# Altium PCB ESP-12F_WLED_IOT_LIPO_PCB_Version_2.PcbDoc (part 2 of 2)
Units mm, origin at the board's own origin, x right, y up, seen from the top; angles counter-clockwise.
Board outline 90 x 44 mm, 2 copper layers (Top Layer, Bottom Layer), stack 0.97 mm thick; 111 components, 79 nets, 330 pads, 196 vias.
Unrouted connection lines stored in the file: 43.
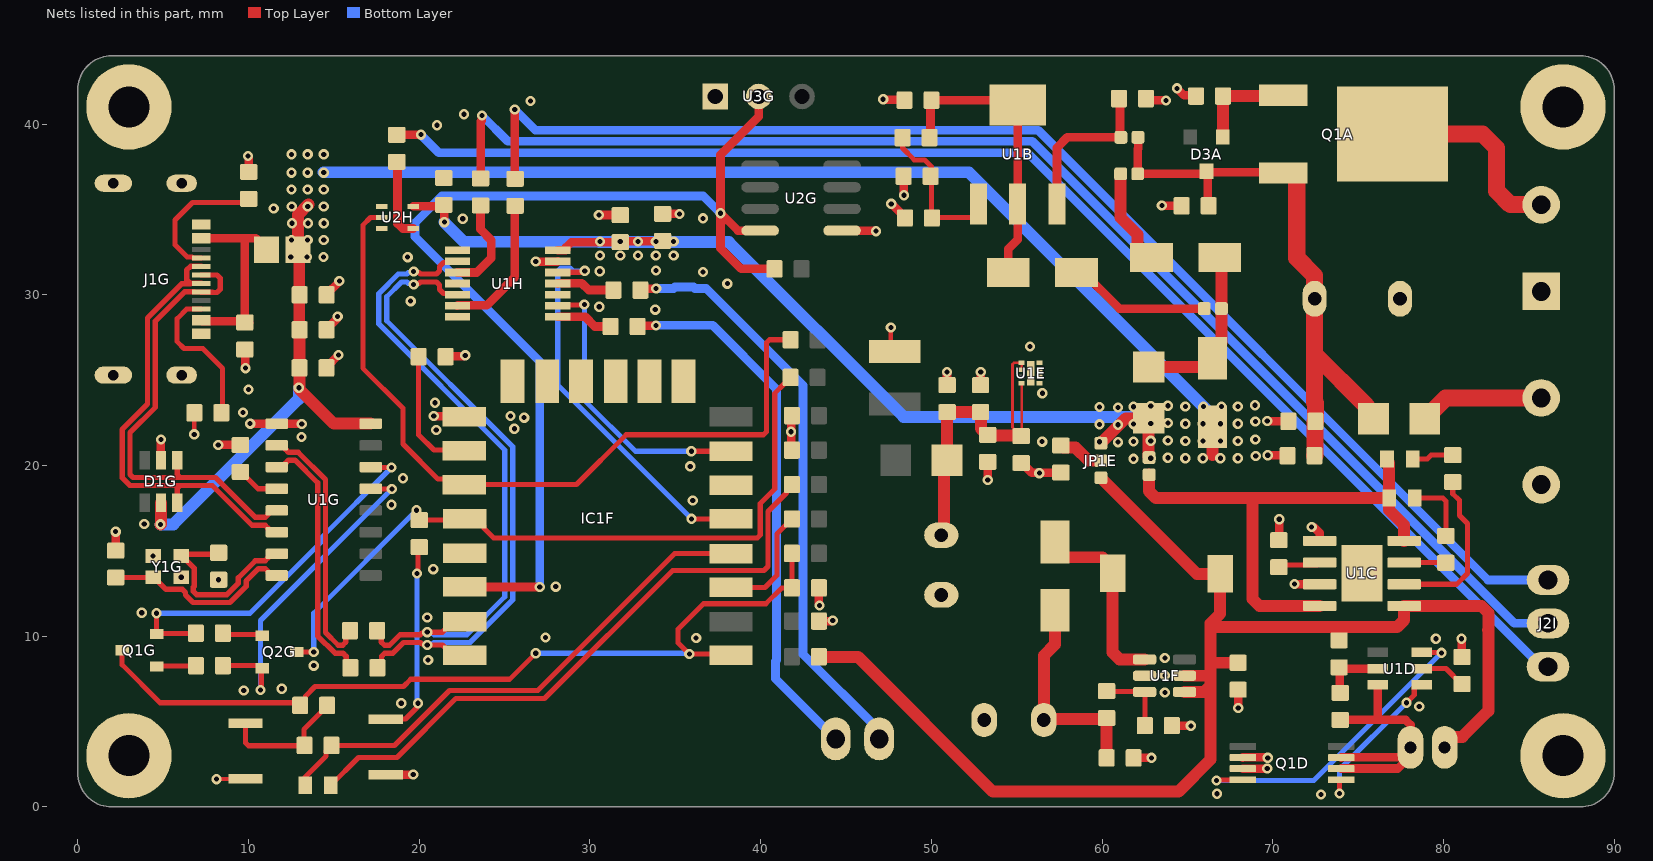
[diagram p2: the nets of this part, all layers, seen from the top]

## Via types
v1: diameter 0.6, hole 0.3, Top Layer to Bottom Layer, tented both sides, 196 vias

## Nets (pads, with @x,y where several pads share a name; then routed paths per layer and width w, separated by ;. In a path a pad name is that pad's centre, name@x,y a point inside that pad or via, vN(x,y) a via of type N, cw(c..) or ccw(c..) an arc to the next point about the centre after c; other vN are vias at no path point) (continued)
Adjust: C3B.2 R1B.1 R2B.1 U1B.1 | length 9.1
  Top Layer w0.3: R1B.1@48.312,39.2 48.312,38.588 49,37.9 49.6,37.9 50.006,37.494 R2B.1@50.006,34.52 ; R2B.1@50.031,34.495 R2B.1@50.006,34.52 ; U1B.1@52.756,35.323 52.756,34.87 52.406,34.52 R2B.1@50.006,34.52
BATT+3V3: C2E.2 C3E.2 C4E.1 C5E.2 F1E.1 R2E.1 U1E.1 U1E.2 U1E.4 | length 21.2
  Top Layer w0.15: C3E.2@55.262,21.723 54.752,22.233 54.752,25.918 54.84,26.006 U1E.1@55.288,26.006 U1E.2@55.288,25.606 ; C3E.2@55.281,21.733 55.281,21.742 55.281,24.799 U1E.4@55.288,24.806
  Top Layer w0.7: C4E.1@50.582,15.917 50.746,16.081 50.746,20.148 F1E.1@50.911,20.313 50.908,20.316 50.908,23.11 C2E.2@50.922,23.125 C2E.2@50.922,23.125 52.72,23.124 52.721,23.123 C5E.2@52.88,23.123 52.88,23.018 52.895,23.003 52.895,22.156 53.261,21.791 R2E.1@53.301,21.791 53.335,21.757 C3E.2@55.214,21.757 ; C3E.2@55.262,21.723 C3E.2@55.281,21.742
CH: R2C.2 U1C.7 | length 2.5
  Top Layer w0.3: U1C.7@77.69,14.312 77.696,14.307 80.133,14.307 R2C.2@80.138,14.301
CS: R1D.2 U1D.2 | length 2.7
  Top Layer w0.3: U1D.2@78.734,8.102 80.138,8.102 81.043,7.198 R1D.2@81.083,7.198
DTS: Q2G.2 R5G.1 U1G.13 | length 19.8
  Top Layer w0.3: R5G.1@8.502,8.276 10.552,8.276 10.752,8.076 10.752,6.898 v1(10.702,6.848) ; U1G.13@17.162,18.636 17.167,18.63 18.395,18.63 v1(18.4,18.625)
  Bottom Layer w0.3: v1(10.702,6.848) 10.702,10.927 v1(18.4,18.625)
EN: IC1F.3 R8F.2 | length 6.7
  Top Layer w0.3: IC1F.3@38.268,12.859 40.259,12.859 40.95,13.55 40.95,15.986 41.47,16.506 41.51,16.506 41.83,16.826 R8F.2@41.83,16.866
ESP8266_DMA_TTL: R1H.1 U1H.6 | length 8.2
  Top Layer w0.509: U1H.6@22.237,29.355 22.258,29.375 23.95,29.375 25.595,31.02 25.595,35.185 R1H.1@25.62,35.21
ESP8266_SPI_CLOCK_TTL: R5H.1 U1H.11 | length 3.4
  Top Layer w0.509: U1H.11@28.113,30.655 28.134,30.675 29.525,30.675 29.926,30.274 R5H.1@31.374,30.274
ESP8266_SPI_DATA_TTL: R4H.1 U1H.8 | length 3.3
  Top Layer w0.509: U1H.8@28.113,28.705 29.725,28.705 30.288,28.142 R4H.1@31.213,28.142
ESP8266_UART0_TTL: R2H.1 U1H.3 | length 5.7
  Top Layer w0.509: U1H.3@22.237,31.305 23.38,31.305 24.225,32.15 24.225,33.2 23.595,33.83 R2H.1@23.595,35.235
ESP8266_UART1_TTL: R3H.1 U2H.4 | length 4.7
  Top Layer w0.509: R3H.1@18.683,37.788 18.683,37.622 18.733,37.572 18.733,34.176 19.031,33.878 U2H.4@19.652,33.878
FB: R1F.1 R2F.2 U1F.3 | length 4.2
  Top Layer w0.3: R1F.1@60.265,6.781 60.289,6.758 62.466,6.758 U1F.3@62.49,6.734 62.502,6.721 R2F.2@62.502,4.769
GND: C1A.2 C1B.1 C1E.1 C1F.2 C1G.1 C1H.1 C2A.1 C2B.1 C2E.1 C2F.1 C2G.1 C2H.1 C3A.1 C3B.1 C3E.1 C3F.1 C3G.1 C3H.1 C4E.2 C4F.2 C4G.1 C5E.1 C5F.1 C5G.2 C6F.1 C6G.1 C7G.2 D1G.2 H1A.1 H2A.1 H3A.1 H4A.1 IC1F.15 J1A.2 J1G.A1B12 J1G.B1A12 J1G.SH J1I.2 Q1D.2 Q1D.3 R1A.2 R1D.1 R1G.2 R2A.2 R2B.2 R2E.2 R2F.1 R2G.2 R3C.1 R11F.1 R13F.2 R14F.2 SW1F.2 SW2F.1 U1C.1 U1C.3 U1E.5 U1E.9 U1F.2 U1G.1 U1H.1 U1H.4 U1H.7 U1H.10 U1H.13 U2G.5 U2H.1 U2H.3 U3G.1 Y1G.2 Y1G.4 | length 57.2
  Top Layer w0.254: Y1G.2@5.801,13.449 v1(6.063,13.449) Y1G.2@6.013,13.449 ; v1(6.825,21.825) 6.83,21.83 6.83,23.079 R1G.2@6.835,23.083 ; v1(8.125,1.625) 8.135,1.635 9.81,1.635 SW2F.1@9.82,1.645 ; v1(8.249,13.307) C5G.2@8.289,13.307 ; C1G.1@9.788,26.795 C1G.1@9.825,26.758 ; C4G.1@14.564,25.712 C4G.1@14.626,25.65 ; C2G.1@14.582,29.989 C2G.1@14.619,30.025 ; v1(47.625,28.075) 47.625,26.927 C4F.2@47.868,26.684
  Top Layer w0.5: C7G.2@2.224,15.016 v1(2.224,16.124) ; D1G.2@4.874,20.312 v1(4.875,21.525) ; v1(8.231,21.206) C6G.1@9.526,21.206 ; v1(9.825,25.7) C1G.1@9.825,26.758 ; v1(9.975,38.125) 9.975,38.098 10.016,38.057 R2G.2@10.016,37.192 ; v1(10.1,22.45) 10.104,22.446 U1G.1@11.662,22.446 11.672,22.435 13.115,22.435 v1(13.125,22.425) ; C3G.1@14.578,27.949 14.579,27.99 15.206,28.617 15.206,28.706 v1(15.225,28.725) ; C2G.1@14.619,30.025 14.619,30.065 15.306,30.752 15.306,30.781 v1(15.325,30.8) ; C4G.1@14.626,25.65 14.626,25.813 15.275,26.462 v1(15.275,26.475) ; SW1F.2@18.05,1.9 18.053,1.897 19.647,1.897 v1(19.65,1.9) ; v1(20.85,22.9) 20.867,22.883 22.281,22.883 22.298,22.867 IC1F.15@22.647,22.867 IC1F.15@22.85,23.07 ; R11F.1@21.545,26.37 21.74,26.37 21.765,26.395 22.618,26.395 22.673,26.45 v1(22.7,26.45) ; v1(26.825,31.95) 26.847,31.95 26.872,31.925 27.205,31.925 27.21,31.93 28.088,31.93 U1H.13@28.113,31.955 ; v1(30.525,34.675) 30.53,34.67 31.775,34.67 C1H.1@31.78,34.665 ; C2H.1@34.255,34.74 34.262,34.732 35.243,34.732 v1(35.25,34.725) ; C6F.1@41.83,20.902 41.794,20.937 41.794,21.956 v1(41.775,21.975) 41.794,21.994 41.794,22.884 C5F.1@41.83,22.92 ; R13F.2@43.41,10.888 43.416,10.881 44.154,10.881 44.198,10.925 v1(44.225,10.925) ; C3F.1@43.41,12.83 43.41,11.923 43.431,11.902 43.431,11.819 v1(43.45,11.8) ; U2G.5@44.771,33.757 44.786,33.741 46.734,33.741 v1(46.75,33.725) ; v1(47.175,41.45) 47.194,41.431 48.39,41.431 C2B.1@48.426,41.395 ; v1(47.65,35.325) 47.662,35.325 48.451,34.535 R2B.2@48.451,34.495 ; C3B.1@48.376,36.945 48.388,36.933 48.388,35.837 v1(48.4,35.825) ; v1(50.911,25.476) 50.917,25.47 50.917,24.711 C2E.1@50.922,24.705 ; C5E.1@52.88,24.703 52.895,24.703 v1(52.895,25.475) ; v1(53.301,19.149) R2E.2@53.301,20.211 R2E.2@53.335,20.177 ; C3E.1@55.262,20.143 55.302,20.143 55.876,19.569 56.306,19.569 v1(56.325,19.55) 56.341,19.566 57.572,19.566 C1E.1@57.587,19.581 ; R14F.2@61.849,2.868 61.852,2.872 62.897,2.872 v1(62.9,2.875) ; C1B.1@62.57,41.488 62.664,41.394 63.731,41.394 v1(63.75,41.375) ; v1(63.5,35.225) 63.508,35.217 64.653,35.217 R2A.2@64.661,35.21 ; R2F.1@64.082,4.769 64.092,4.76 65.19,4.76 v1(65.2,4.75) ; v1(64.389,42.088) 64.801,41.676 65.281,41.676 65.321,41.636 R1A.2@65.501,41.636 ; C2F.1@67.962,6.865 67.968,6.859 67.968,5.807 v1(67.975,5.8) ; Q1D.3@68.248,2.243 69.668,2.243 v1(69.675,2.25) ; Q1D.2@68.248,2.893 68.251,2.896 69.652,2.896 69.673,2.875 v1(69.7,2.875) ; v1(69.675,22.6) 69.682,22.593 70.903,22.593 C3A.1@70.91,22.586 ; v1(69.7,20.6) 69.713,20.587 70.847,20.587 C2A.1@70.861,20.573 ; R3C.1@70.353,15.623 70.364,15.634 70.364,16.839 v1(70.375,16.85) ; v1(71.275,13.05) 71.279,13.046 72.736,13.046 U1C.3@72.74,13.042 ; v1(72.275,16.4) 72.294,16.381 72.42,16.381 72.74,16.061 U1C.1@72.74,15.582 ; v1(81.05,9.85) 81.066,9.834 81.066,8.794 R1D.1@81.083,8.778
  other v1: 72.825,0.725 66.725,0.775 78.575,5.875 18.95,6.075 63.675,6.7 9.725,6.825 11.95,6.925 63.675,7.7 13.825,8.275 20.525,8.6 63.675,8.725 79.55,9.85 36.225,9.9 27.4,9.925 20.475,11.1 3.75,11.375 28,12.9 20.825,13.925 4.413,14.699 3.9,16.575 18.375,17.7 36.025,17.95 19.05,19.25 35.875,19.95 69,20.55 56.49,21.395 68.975,21.525 13.1,21.675 21,22.075 25.575,22.15 68.975,22.575 26.15,22.8 25.35,22.9 9.675,23.1 68.95,23.525 20.925,23.675 56.502,24.232 10,24.45 55.772,26.975 33.825,29.125 30.55,29.3 19.5,29.625 38.05,30.65 36.625,31.325 30.575,31.375 33.875,31.425 19.325,32.2 22.55,34.45 36.625,34.475 11.475,35.05 12.525,38.225 13.467,38.225 14.408,38.225 21.05,39.925 22.625,40.575 26.525,41.35
GND-ISO: U1C.9
GPIO0: IC1F.18 Q2G.3 R6F.2 R9F.2 | length 43
  Top Layer w0.3: Q2G.3@12.822,9.075 v1(13.825,9.075) ; v1(19.85,17.375) 19.907,17.318 19.907,16.893 R6F.2@20.005,16.795 22.595,16.795 IC1F.18@22.672,16.873 23.371,16.873 23.792,16.451 23.792,16.326 24.368,15.75 39.799,15.75 39.975,15.926 39.975,17.775 40.825,18.625 40.825,24.225 41.395,24.795 41.435,24.795 41.755,25.115 R9F.2@41.755,25.155
  Bottom Layer w0.3: v1(13.825,9.075) 13.825,11.35 v1(19.85,17.375)
GPIO2: IC1F.17 R10F.2 U2H.2 | length 45.4
  Top Layer w0.3: U2H.2@17.812,34.528 17.153,34.528 16.7,34.075 16.7,25.7 19.05,23.35 19.05,21.25 21.103,19.197 22.328,19.197 IC1F.17@22.647,18.879 29.209,18.879 32.13,21.8 40.174,21.8 40.35,21.976 40.35,27.187 40.526,27.362 R10F.2@41.755,27.362
GPIO4: IC1F.19
GPIO5: IC1F.20 R7G.2 U2G.4 U3G.2 | length 63.9
  Top Layer w0.509: IC1F.20@22.672,12.885 v1(27.06,12.885) ; U3G.2@39.886,41.612 39.886,40.436 37.65,38.2 v1(37.65,34.775) ; U2G.4@39.971,33.757 38.668,33.757 v1(37.65,34.775) ; R7G.2@40.814,31.513 38.862,31.513 37.65,32.725 v1(37.65,34.775)
  Bottom Layer w0.509: v1(27.06,12.885) 27.06,26.09 19.75,33.4 19.75,34.2 21.329,35.779 36.646,35.779 v1(37.65,34.775)
GPIO6: IC1F.14
GPIO7: IC1F.10
GPIO8: IC1F.13
GPIO9: IC1F.11
GPIO10: IC1F.12
GPIO11: IC1F.9
GPIO12: IC1F.6
GPIO13: IC1F.7 U1H.9 | length 17
  Top Layer w0.3: U1H.9@28.113,29.355 28.148,29.39 29.64,29.39 v1(29.675,29.425) ; v1(35.94,20.835) IC1F.7@38.268,20.835
  Bottom Layer w0.3: v1(29.675,29.425) 29.675,23.825 32.665,20.835 v1(35.94,20.835)
GPIO14: IC1F.5 U1H.12 | length 23.4
  Top Layer w0.3: U1H.12@28.113,31.305 28.123,31.315 29.534,31.315 29.619,31.4 v1(29.7,31.4) ; v1(35.952,16.873) IC1F.5@38.268,16.873
  Bottom Layer w0.3: v1(29.7,31.4) 29.019,31.4 28.844,31.575 28.289,31.575 28.113,31.399 28.113,24.712 v1(35.952,16.873)
GPIO15: IC1F.16 R11F.2 | length 7.7
  Top Layer w0.3: R11F.2@19.965,26.37 19.965,21.797 20.862,20.9 22.357,20.9 22.482,21.025 IC1F.16@22.647,20.86
GPIO16: D2F.K IC1F.4 R4F.1 | length 31
  Top Layer w0.3: D2F.K@13.32,1.27 13.32,1.745 14.55,2.975 14.55,3.285 R4F.1@14.87,3.605 18.555,3.605 21.775,6.825 26.95,6.825 34.966,14.841 IC1F.4@38.268,14.841
LDO+5V: C2B.2 D4A.1 R1B.2 U1B.2 U1B.4 | length 17.4
  Top Layer w0.5: R1B.2@49.892,39.2 49.949,39.257 49.949,41.338 C2B.2@50.006,41.395 54.784,41.395 U1B.4@55.056,41.123 U1B.2@55.056,35.323 55.056,33.235 54.499,32.678 D4A.1@54.499,31.308
LDO-IN+5V: C1B.2 JP2A.2 U1B.3 | length 8.6
  Top Layer w0.512: U1B.3@57.356,36.323 57.356,38.612 57.962,39.218 JP2A.2@61.102,39.218 61.046,39.274 61.046,41.432 C1B.2@60.99,41.488
LED_OUT: F2A.2 J1I.1 | length 7.3
  Top Layer w1: F2A.2@78.897,22.725 78.897,22.745 79.297,23.145 79.317,23.145 80.13,23.958 J1I.1@85.716,23.958
LED_OUT_1: J2I.1 R1H.2 | length 76
  Top Layer w0.509: v1(25.6,40.85) 25.598,40.848 25.598,36.813 R1H.2@25.62,36.79
  Bottom Layer w0.509: v1(25.6,40.85) 26.808,39.642 56.258,39.642 82.606,13.294 J2I.1@86.118,13.294
LED_OUT_2_C: J2I.3 R3H.2 | length 80.3
  Top Layer w0.509: R3H.2@18.683,39.368 18.687,39.371 20.096,39.371 v1(20.1,39.375)
  Bottom Layer w0.509: v1(20.1,39.375) 21.15,38.325 55.632,38.325 85.743,8.214 J2I.3@86.118,8.214
LED_OUT_2_D: J2I.2 R2H.2 | length 78.5
  Top Layer w0.509: R2H.2@23.595,36.815 23.595,37.016 23.61,37.031 23.61,40.16 23.658,40.208 23.658,40.483 v1(23.675,40.5)
  Bottom Layer w0.509: v1(23.675,40.5) 25.191,38.984 55.905,38.984 84.135,10.754 J2I.2@86.118,10.754
LED_OUT_3_C: J3I.1 R5H.2 | length 34.6
  Top Layer w0.509: R5H.2@32.954,30.274 33.031,30.35 33.864,30.35 v1(33.882,30.367)
  Bottom Layer w0.509: v1(33.882,30.367) 34.896,30.367 34.983,30.454 36.067,30.454 36.154,30.367 36.816,30.367 42.479,24.704 42.479,8.946 46.942,4.483 J3I.1@46.942,3.982
LED_OUT_3_D: J3I.2 R4H.2 | length 31.7
  Top Layer w0.509: R4H.2@32.793,28.142 32.838,28.188 33.846,28.188 v1(33.864,28.206)
  Bottom Layer w0.509: v1(33.864,28.206) 37.194,28.206 40.929,24.471 40.929,8.583 40.875,8.529 40.875,7.509 J3I.2@44.402,3.982
NetC6G_2: C6G.2 U1G.4 | length 2.5
  Top Layer w0.3: C6G.2@9.526,19.626 9.566,19.626 10.556,18.636 U1G.4@11.662,18.636
NetD1A_1: D1A.1 JP1A.2 | length 5.9
  Top Layer w0.7: JP1A.2@61.084,37.083 61.072,37.072 61.072,34.528 62.066,33.534 62.066,32.678 62.566,32.178 D1A.1@62.894,32.178
NetD1A_2: D1A.2 D2A.2 F1A.1 JP3A.2 | length 10.1
  Top Layer w0.7: F1A.1@62.724,25.763 65.974,25.763 66.201,25.989 66.201,26.001 D2A.2@66.474,26.274 66.474,26.674 66.986,27.186 JP3A.2@66.986,29.19 D1A.2@66.986,32.178
NetD1C_K: D1C.K R2C.1 | length 3.9
  Top Layer w0.3: D1C.K@78.316,18.084 79.962,18.084 80.138,17.909 R2C.1@80.138,15.881
NetD2C_K: D2C.K R1C.1 | length 2.4
  Top Layer w0.3: D2C.K@78.191,20.38 79.051,20.38 79.282,20.61 R1C.1@80.542,20.61
NetD2F_A: D2F.A R5F.1 | length 36.3
  Top Layer w0.3: D2F.A@14.82,1.27 16.45,2.9 18.696,2.9 22.146,6.35 27.348,6.35 34.848,13.85 40.199,13.85 40.425,14.076 40.425,17.3 41.51,18.385 41.51,18.564 R5F.1@41.83,18.884
NetD3A_1: D3A.1 Q1A.1 R1A.1 | length 6
  Top Layer w0.7: D3A.1@67.066,39.238 67.073,39.245 67.073,41.628 R1A.1@67.081,41.636 Q1A.1@70.706,41.636
NetD4A_2: D4A.2 JP3A.1 | length 8.4
  Top Layer w0.5: D4A.2@58.499,31.308 58.899,31.308 61.018,29.19 JP3A.1@65.986,29.19
NetJ1G_A5: J1G.A5 R2G.1 | length 8.1
  Top Layer w0.3: J1G.A5@7.237,32.16 6.75,32.16 6.7,32.21 6.416,32.21 5.7,32.926 5.7,34.375 6.725,35.4 9.804,35.4 R2G.1@10.016,35.612
NetJ1G_B5: J1G.B5 R1G.1 | length 8.9
  Top Layer w0.3: J1G.B5@7.237,29.16 6.385,29.16 5.824,28.599 5.824,27.251 6.225,26.85 7.325,26.85 8.49,25.685 8.49,23.158 R1G.1@8.415,23.083
NetQ1G_1: Q1G.1 R5G.2 | length 2.3
  Top Layer w0.3: Q1G.1@4.622,8.226 4.647,8.251 6.897,8.251 R5G.2@6.922,8.276
NetQ2G_1: Q2G.1 R6G.2 | length 2.4
  Top Layer w0.3: R6G.2@8.502,10.176 8.577,10.101 10.727,10.101 Q2G.1@10.802,10.026
NetR3F_1: R3F.1 R4F.2 SW2F.2 | length 7.6
  Top Layer w0.3: SW2F.2@9.82,4.895 9.82,3.756 9.996,3.58 13.265,3.58 R4F.2@13.29,3.605 13.25,3.645 13.25,4.545 14.61,5.905 R3F.1@14.61,5.945
NetR6F_1: R6F.1 SW1F.1 | length 11.6
  Top Layer w0.3: SW1F.1@18.045,5.145 19.195,5.145 19.868,5.818 19.868,6.018 v1(19.925,6.075) ; v1(19.875,13.675) 19.932,13.732 19.932,15.142 R6F.1@20.005,15.215
  Bottom Layer w0.3: v1(19.875,13.675) 19.875,6.125 v1(19.925,6.075)
nRST: C3F.2 IC1F.1 Q1G.3 R3F.2 R7F.2 | length 50.4
  Top Layer w0.3: Q1G.3@2.602,9.176 2.602,8.323 4.825,6.1 12.875,6.1 R3F.2@13.03,5.945 13.35,6.265 13.35,6.5 13.9,7.05 19.075,7.05 19.5,7.475 25.3,7.475 v1(26.825,9) ; IC1F.1@38.268,8.872 38.189,8.95 35.816,8.95 35.156,9.61 35.156,10.406 36.65,11.9 40.3,11.9 41.23,12.83 C3F.2@41.83,12.83 R7F.2@41.83,14.848
  Bottom Layer w0.3: v1(26.825,9) 35.775,9 v1(35.825,8.95)
OC: Q1D.4 U1D.3 | length 19
  Top Layer w0.3: v1(66.7,1.55) 66.721,1.571 68.226,1.571 Q1D.4@68.248,1.593 ; U1D.3@78.734,9.052 78.747,9.039 79.861,9.039 v1(79.875,9.025)
  Bottom Layer w0.3: v1(66.7,1.55) 72.4,1.55 v1(79.875,9.025)
OD: Q1D.5 U1D.1 | length 9.4
  Top Layer w0.3: v1(73.91,0.785) 73.91,1.543 73.96,1.593 Q1D.5@74.008,1.593 ; v1(77.825,6.1) 78.284,6.559 78.284,7.027 78.409,7.152 U1D.1@78.734,7.152
  Bottom Layer w0.3: v1(73.91,0.785) 73.91,2.185 v1(77.825,6.1)
PROG: R3C.2 U1C.2 | length 2.5
  Top Layer w0.3: R3C.2@70.353,14.043 70.488,14.177 72.605,14.177 U1C.2@72.74,14.312
RTS: Q1G.2 R6G.1 U1G.14 | length 22.2
  Top Layer w0.3: v1(4.622,11.347) Q1G.2@4.622,10.126 4.647,10.151 6.897,10.151 R6G.1@6.922,10.176 ; U1G.14@17.162,19.906 17.177,19.89 18.36,19.89 v1(18.375,19.875)
  Bottom Layer w0.3: v1(4.622,11.347) 10.097,11.347 14.207,15.457 14.207,15.707 v1(18.375,19.875)
RXD_TXD_N: R3G.1 U1G.3 | length 15
  Top Layer w0.312: U1G.3@11.662,19.906 12.007,19.906 12.161,20.06 12.161,20.127 12.343,20.31 12.726,20.31 14.05,18.986 14.05,10.023 15.066,9.007 15.534,9.007 15.725,8.816 15.725,8.395 R3G.1@15.969,8.15
RXD_TXD_P: R4G.1 U1G.2 | length 15
  Top Layer w0.312: U1G.2@11.662,21.176 12.007,21.176 12.161,21.021 12.161,20.954 12.343,20.771 12.918,20.771 14.512,19.177 14.512,10.214 15.257,9.468 15.515,9.468 15.706,9.659 15.706,10.08 R4G.1@15.951,10.325
SPX_IN: C1E.2 JP1E.2 U1E.6 U1E.7 U1E.8 | length 2.7
  Top Layer w0.7: C1E.2@57.587,21.161 57.707,21.041 58.444,21.041 59.207,20.278 JP1E.2@59.932,20.278
ST: R1C.2 U1C.6 | length 9.7
  Top Layer w0.3: U1C.6@77.69,13.042 80.767,13.042 81.404,13.679 81.404,16.6 80.929,17.075 80.929,17.96 80.542,18.347 R1C.2@80.542,19.03
SupplyIN: J1A.1 Q1A.4 | length 11.9
  Top Layer w1: Q1A.4@77.008,39.411 82.289,39.411 83.1,38.6 83.1,36.086 83.913,35.273 J1A.1@85.725,35.273
SupplyOUT: C1A.1 C2A.2 C3A.2 D3A.3 F2A.1 JP1A.1 JP2A.1 Q1A.3 R2A.1 | length 35.8
  Top Layer w0.5: JP2A.1@62.102,39.218 62.105,39.215 62.105,38.562 62.084,38.54 JP1A.1@62.084,37.083 65.966,37.083 66.116,37.233 D3A.3@66.116,37.238 D3A.3@66.169,37.185 ; R2A.1@66.241,35.21 66.178,35.273 66.178,37.175 D3A.3@66.169,37.185 ; Q1A.3@70.608,37.131 70.555,37.185 D3A.3@66.169,37.185
  Top Layer w1: Q1A.3@70.608,37.131 71.275,37.131 71.4,37.006 71.4,32.163 72.449,31.114 C1A.1@72.449,29.764 72.449,26.523 ; C2A.2@72.441,20.573 72.455,20.573 72.465,20.583 72.465,22.576 72.475,22.586 C3A.2@72.49,22.586 72.49,23.653 72.449,23.694 72.449,26.523 ; F2A.1@75.897,22.725 75.497,23.125 75.497,23.495 75.477,23.495 72.449,26.523
SW: D1F.1 L1F.2 U1F.1 | length 11.2
  Top Layer w0.7: D1F.1@57.24,15.516 57.24,15.125 57.74,14.625 60.019,14.625 60.615,14.029 60.615,9.044 61.025,8.634 U1F.1@62.49,8.634
TXD_RXD_N: IC1F.22 R3G.2 U1H.5 | length 37.6
  Top Layer w0.312: R3G.2@17.549,8.15 17.794,8.395 17.794,8.816 17.985,9.007 18.457,9.007 19.081,9.631 20.077,9.631 20.166,9.542 ; 19.984,30.66 20.073,30.749 20.753,30.749 21.011,30.749 21.194,30.566 21.194,30.303 21.423,30.074 22.168,30.074 U1H.5@22.237,30.005 ; v1(20.475,9.487) 21.358,9.487 21.974,8.872 IC1F.22@22.672,8.872
  Bottom Layer w0.312: v1(19.675,30.605) 19.62,30.66 19.366,30.66 19.277,30.749 18.965,30.749 18.1,29.884 18.1,28.475 25.474,21.101 25.474,12.121 22.984,9.631 20.873,9.631 20.784,9.542 20.53,9.542 v1(20.475,9.487)
TXD_RXD_P: IC1F.21 R4G.2 U1H.2 | length 37.6
  Top Layer w0.312: R4G.2@17.531,10.325 17.775,10.08 17.775,9.659 17.966,9.468 18.265,9.468 18.89,10.093 20.077,10.093 20.166,10.182 ; 19.984,31.299 20.073,31.21 20.562,31.21 21.011,31.21 21.194,31.393 21.194,31.656 21.423,31.885 22.168,31.885 U1H.2@22.237,31.955 ; v1(20.475,10.237) 21.358,10.237 21.974,10.853 IC1F.21@22.672,10.853
  Bottom Layer w0.312: v1(19.675,31.355) 19.62,31.299 19.366,31.299 19.277,31.21 18.774,31.21 17.638,30.075 17.638,28.284 25.012,20.91 25.012,12.312 22.793,10.093 20.873,10.093 20.784,10.182 20.53,10.182 v1(20.475,10.237)
USB_2.0_N: D1G.6 J1G.A7 J1G.B7 U1G.6 | length 27.7
  Top Layer w0.312: D1G.6@5.824,17.812 5.824,18.648 6.007,18.831 ; 6.599,30.641 6.086,30.641 4.088,28.643 4.088,23.6 2.6,22.112 2.6,19.284 3.053,18.831 6.007,18.831 ; J1G.A7@6.849,30.66 J1G.A7@7.237,30.66 7.232,30.666 6.599,30.666 6.382,30.883 6.382,31.438 6.604,31.66 J1G.B7@7.237,31.66 ; U1G.6@11.662,16.096 11.317,16.096 11.162,16.25 11.162,16.317 10.98,16.5 10.211,16.5 7.88,18.831 6.007,18.831
USB_2.0_P: D1G.1 J1G.A6 J1G.B6 U1G.5 | length 27
  Top Layer w0.312: D1G.1@5.824,20.312 5.824,19.475 6.007,19.292 ; J1G.A6@7.237,31.16 8.157,31.16 8.34,30.977 8.34,30.318 8.157,30.135 7.899,30.135 7.88,30.154 7.243,30.154 J1G.B6@7.237,30.16 6.849,30.16 6.83,30.179 6.278,30.179 4.55,28.452 4.55,23.409 3.062,21.92 3.062,19.475 3.244,19.292 6.007,19.292 ; U1G.5@11.662,17.366 11.317,17.366 11.162,17.211 11.162,17.144 10.98,16.961 10.402,16.961 8.071,19.292 6.007,19.292
VBAT+: C2F.2 J4I.2 JP1E.1 L1F.1 R2D.2 R12F.2 U1C.5 U1F.4 U1F.5 | length 79.2
  Top Layer w0.7: R12F.2@43.41,8.795 45.705,8.795 53.6,0.9 64.475,0.9 66.359,2.784 66.359,7.119 ; JP1E.1@59.932,19.278 65.556,13.654 L1F.1@66.915,13.654 66.915,11.314 66.359,10.757 ; U1F.4@64.83,6.734 65.974,6.734 66.359,7.119 ; U1F.5@64.83,7.684 66.359,7.684 ; C2F.2@67.962,8.445 66.488,8.445 66.359,8.575 ; J4I.2@80.066,3.487 80.066,3.73 80.436,4.099 81.099,4.099 82.628,5.628 82.628,10.4 ; 82.603,10.375 82.628,10.4 ; 66.359,7.119 66.359,7.684 ; 66.359,7.684 66.359,8.575 ; 66.359,8.575 66.359,10.757 ; 66.359,10.757 66.576,10.54 77.28,10.54 77.69,10.95 U1C.5@77.69,11.772 82.218,11.772 82.628,11.362 82.628,10.4
VBAT+5V: C1F.1 D1F.2 R1F.2 R14F.1 | length 12.8
  Top Layer w0.7: D1F.2@57.24,11.516 57.24,9.518 56.589,8.866 C1F.1@56.589,5.088 56.646,5.145 60.209,5.145 R1F.2@60.265,5.201 60.267,5.2 60.267,3.028 60.269,3.027 R14F.1@60.269,2.868
VBAT-: C1D.1 J4I.1 Q1D.6 Q1D.7 U1D.6 | length 16.7
  Top Layer w0.5: C1D.1@73.948,5.097 76.125,5.097 ; Q1D.6@74.008,2.243 74.012,2.243 74.019,2.25 77.33,2.25 78.066,2.987 J4I.1@78.066,3.362 ; Q1D.7@74.008,2.893 74.015,2.9 77.604,2.9 J4I.1@78.066,3.362 ; U1D.6@76.134,7.152 76.134,5.106 76.125,5.097 ; 76.125,5.097 77.774,5.097 78.066,4.804 J4I.1@78.066,3.362
VBUS: C2G.2 C3G.2 C4G.2 D1G.5 D2A.1 FB1G.2 U1G.16 | length 88.9
  Top Layer w0.7: v1(4.85,16.55) 4.874,16.574 D1G.5@4.874,17.812 ; C3G.2@12.975,27.837 12.975,29.989 12.975,32.527 12.912,32.591 FB1G.2@12.912,32.633 12.912,34.694 v1@13.508,35.29 ; C3G.2@12.991,27.942 12.991,25.719 C4G.2@12.984,25.712 12.984,24.466 15.004,22.446 U1G.16@17.162,22.446 ; D2A.1@66.474,22.274 66.475,22.273 66.475,20.625
  Bottom Layer w0.7: v1(4.85,16.55) 5.6,16.55 12.95,23.9 v1(12.95,24.55) ; v1@14.408,37.175 52.2,37.175 66.475,22.9
  other v1: 64.875,20.425 65.9,20.425 66.925,20.425 67.95,20.425 64.875,21.433 65.9,21.433 66.925,21.433 67.95,21.433 64.875,22.442 65.9,22.442 66.925,22.442 67.95,22.442 64.875,23.45 65.933,23.45 66.992,23.45 67.95,23.45 12.476,32.212 13.434,32.212 14.392,32.212 12.526,33.2 13.468,33.2 14.409,33.2 12.551,34.187 13.484,34.187 14.417,34.187 12.538,35.175 13.475,35.175 14.413,35.175 12.525,36.162 13.467,36.162 14.408,36.162 12.525,37.15 13.467,37.15 14.408,37.15
VBUS_IN: C1G.2 FB1G.1 J1G.A4B9 J1G.B4A9 | length 11.7
  Top Layer w0.5: J1G.B4A9@7.237,28.51 7.287,28.46 9.663,28.46 9.748,28.375 C1G.2@9.785,28.375 ; J1G.A4B9@7.237,33.31 9.775,33.31 ; C1G.2@9.788,28.375 C1G.2@9.785,28.375 ; C1G.2@10.013,28.35 C1G.2@10.053,28.35 ; FB1G.1@11.061,32.633 11.061,32.684 10.434,33.31 9.775,33.31 ; 9.775,33.31 9.785,33.3 C1G.2@9.785,28.375
VCC: C1H.2 C2H.2 C3H.2 F1A.2 JP1C.1 JP1E.3 U1H.14 U2H.5 | length 61.2
  Top Layer w0.5: U2H.5@19.652,35.178 21.395,35.178 21.459,35.241 21.459,34.266 v1(21.475,34.25) ; U1H.14@28.113,32.605 28.576,32.605 28.601,32.63 28.601,32.767 28.919,33.085 C1H.2@31.78,33.085 31.817,33.122 34.217,33.122 C2H.2@34.255,33.16
  Top Layer w0.7: JP1E.3@59.932,21.302 61.393,22.763 F1A.2@62.724,22.763 ; JP1C.1@62.75,20.46 62.724,20.486 F1A.2@62.724,22.763 ; F1A.2@62.768,22.85 62.812,22.85 F1A.2@62.724,22.763
  Bottom Layer w0.7: v1(21.475,34.25) 22.621,33.104 30.51,33.104 30.53,33.085 30.537,33.092 31.767,33.092 31.775,33.1 33.847,33.1 33.862,33.085 38.14,33.085 48.375,22.85 62.768,22.85
  other v1: 61.843,20.388 62.85,20.425 63.85,20.45 60.925,21.367 59.85,21.392 61.843,21.404 62.85,21.442 63.85,21.467 60.925,22.383 59.85,22.408 61.843,22.421 62.85,22.458 63.85,22.483 60.925,23.4 59.85,23.425 61.843,23.438 62.85,23.475 63.85,23.5 30.587,32.3 31.775,32.3 32.819,32.3 33.862,32.3 34.906,32.3 30.587,33.125 31.775,33.125 32.819,33.125 33.862,33.125 34.906,33.125
VCC1: C1D.2 R2D.1 U1D.5 | length 3.4
  Top Layer w0.5: R2D.1@73.877,8.18 73.912,8.144 73.912,6.712 C1D.2@73.948,6.677 ; R2D.1@74.227,8.102 U1D.5@76.134,8.102
VCCTP4056: D1C.A D2C.A JP1C.2 U1C.4 U1C.8 | length 30.4
  Top Layer w0.7: JP1C.2@62.75,19.46 62.75,18.494 63.16,18.084 68.775,18.084 ; 69.151,18.084 68.775,18.084 ; 69.21,18.084 70.525,18.084 D1C.A@76.816,18.084 ; U1C.4@72.74,11.772 69.21,11.772 68.8,12.182 68.8,18.059 68.775,18.084 ; D2C.A@76.691,20.38 76.741,20.33 76.741,20.23 76.816,20.155 D1C.A@76.816,18.084 ; U1C.8@77.69,15.582 77.69,16.51 76.816,17.384 D1C.A@76.816,18.084
XI-XO_N: C5G.1 U1G.7 Y1G.3 | length 10.9
  Top Layer w0.312: C5G.1@8.249,14.887 8.155,14.793 6.157,14.793 Y1G.3@6.063,14.699 6.113,14.699 6.819,13.994 6.819,12.923 6.771,12.874 6.771,12.616 6.953,12.433 8.733,12.433 9.406,13.106 9.406,13.422 10.406,14.421 10.98,14.421 11.162,14.604 11.162,14.671 11.317,14.826 U1G.7@11.662,14.826
XI-XO_P: C7G.1 U1G.8 Y1G.1 | length 11.4
  Top Layer w0.312: C7G.1@2.224,13.436 2.231,13.443 4.407,13.443 Y1G.1@4.413,13.449 4.463,13.449 5.169,12.744 6.126,12.744 6.309,12.561 6.309,12.425 6.762,11.972 8.924,11.972 9.868,12.915 9.868,13.231 10.597,13.96 10.98,13.96 11.162,13.777 11.162,13.71 11.317,13.556 U1G.8@11.662,13.556
pads on no net: D1G.3 D1G.4 D3A.2 J1G.A8 J1G.B8 Q1D.1 Q1D.8 U1D.4 U1E.3 U1F.6 U1G.9 U1G.10 U1G.11 U1G.12 U1G.15 U2G.1 U2G.2 U2G.6 U2G.7 U2G.8

## Polygon pours and split planes (outlines as drawn)
SPX_IN on Top Layer "TOP_SPX_IN" (solid, pour order 25): 56.999,25.076 56.163,25.076 56.163,26.376 58.1,26.376 58.1,23.925 59.35,23.925 59.35,20.9 61.5,20.9 61.5,19.7 58.375,19.7 58.375,20.375 56.999,20.375
VCC on Top Layer "TOP_VCC" (solid, pour order 27): 29.775,32 35.375,32 35.375,33.575 28.425,33.575 27.25,33.575 27.25,32.3 29.775,32.3
VBUS on Top Layer "TOP_VBUS2" (solid, pour order 33): 64.503,19.875 68.35,19.875 68.35,24.35 64.503,24.35
VBUS on Top Layer "TOP_VBUS" (solid, pour order 31): 13.825,31.2 13.85,31.225 14.9,31.225 14.9,37.625 12.175,37.625 12.175,24.375 14.675,21.875 17.925,21.875 17.925,23.075 15.225,23.075 13.825,24.475
VBUS_IN on Top Layer "TOP_VBUS_IN" (solid, pour order 28): 9,28.125 6.575,28.125 6.575,28.9 9.375,28.9 9.375,32.925 6.575,32.925 6.575,33.625 9.375,33.625 9.375,34.125 12,34.125 12,31.425 10.625,31.425 10.625,27.625 9,27.625
+3V3 on Top Layer "TOP_+3V3" (solid, pour order 26): 39.725,28.775 39.725,22.15 36.9,22.15 36.9,28.25 39.425,30.775 41.725,30.775 41.725,34.5 38.75,34.5 38.75,35.45 41,35.45 41.6,36.05 41.6,42.85 43.3,42.85 43.3,32.443 45.725,28.005 45.725,25.15 49.625,25.15 49.625,18.3 45.525,18.3 45.525,14.05 42.625,14.05 42.625,28.775
BATT+3V3 on Top Layer "TOP_BATT+3V3" (solid, pour order 23): 53.913,23.826 53.913,26.276 53.923,26.286 55.463,26.286 55.463,24.487 55.975,23.976 55.975,21 52.45,21 52.45,18.125 55.125,18.125 55.125,14.125 46.55,14.125 46.55,18.2 49.787,18.2 49.787,23.826
SW on Top Layer "TOP_SW" (solid, pour order 22): 59,13.475 55.225,13.475 55.225,18.475 58.35,18.475 63.375,13.45 63.375,10.4 63.35,10.425 63.35,8.425 59,8.425
VBAT+5V on Top Layer "TOP_VBAT+5V" (solid, pour order 21): 61.3,1.625 55.25,1.625 55.25,13.175 59.025,13.175 59.025,6 61.3,6
VCC1 on Top Layer "TOP_VCC1" (solid, pour order 20): 75.2,5.75 73,5.75 73,8.875 74.5,8.875 74.5,8.5 77,8.5 77,7.525 75.2,7.525
VBAT- on Top Layer "TOP_VBAT-" (solid, pour order 19): 72.375,1.95 72.375,5.75 75.2,5.75 75.2,7.525 77,7.525 77,6 79,6 79,1 75,1 75,1.95
VBAT+ on Top Layer "TOP_VBAT+" (solid, pour order 18): 64.7,0.5 53.25,0.5 45.525,8.225 42.725,8.225 42.725,9.375 45.925,9.375 53.925,1.375 64.275,1.375 66,3.1 66,6 64,6 64,8.1 66,8.1 66,10.1 64,10.1 64,13.8 59,18.8 59,19.7 60.295,19.7 61.003,19.01 63.013,17 68,17 68,11.05 76.6,11.05 76.6,12.3 84,12.3 84,1 79.225,1 79.225,6 82,6 82,10 74.7,10 74.7,9 68.8,9 68.8,7.7 67,7.7 67,2.8
VCCTP4056 on Top Layer "TOP_VCCTP4056" (solid, pour order 17): 64,19 64,20 61.5,20 61.5,18.5 62,18.5 63,17.5 68,17.5 68,11 73.8,11 73.8,12.5 69.5,12.5 69.5,17.5 75.5,17.5 75.5,15.5 76.6,15.5 76.6,15 79,15 79,16.5 78.5,16.5 77.5,17.5 77.5,21 75.5,21 75.5,19
VCC on Top Layer "TOP_VCC" (solid, pour order 15): 61.5,20.9 61.5,20 64,20 64,23.95 59.35,23.95 59.35,20.9
Adjust on Top Layer "TOP_Adjust" (solid, pour order 14): 49.3,33.6 49.3,37.2 48.1,38.4 47.5,38.4 47.5,40 48.9,40 48.9,38.5 49.3,38.1 51,38.1 51,37 53.5,37 53.5,33.6
NetD1A_2 on Top Layer "TOP_NetD1A_2" (solid, pour order 16): 61,24.5 61,28 66.5,28 66.5,30.8 65.3,30.8 65.3,33.5 68.5,33.5 68.5,24.5
NetD1A_1 on Top Layer "TOP_NetD1A_1" (solid, pour order 13): 61.5,37.6 61.5,35.5 63.5,33.5 65,33.5 65,30.8 61.3,30.8 61.3,33.2 60,34.5 60,37.6
NetD4A_2 on Top Layer "TOP_NetD4A_2" (solid, pour order 11): 56.5,33 60.5,33 60.5,31 61.6,29.9 66.6,29.9 66.6,28.5 61,28.5 60,29.5 56.5,29.5
LDO+5V on Top Layer "TOP_LDO+5V" (solid, pour order 9): 52.5,29.5 52.5,32.9 54,32.9 54,38.5 49.43,38.5 49,38.93 49,42.5 53,42.5 53,43 57,43 57,39.5 56,39.5 56,29.5
LDO-IN+5V on Top Layer "TOP_LDO-IN+5V" (solid, pour order 8): 61.646,42.189 61.646,38.583 58.166,38.583 58.166,33.731 56.49,33.731 56.49,38.532 57.734,39.776 60.147,39.776 60.147,42.189
NetD3A_1 on Top Layer "TOP_NETD3A" (solid, pour order 7): 72.183,42.478 72.183,40.665 67.92,40.665 67.92,38.583 66.37,38.583 66.37,42.456
LED_OUT on Top Layer "TOP_LED_OUT" (solid, pour order 6): 77.575,21.4 89,21.4 89,27.425 77.575,27.425
SupplyOUT on Top Layer "TOP_SUPPLYOUT" (solid, pour order 4): 68.9,34.5 65.5,34.5 65.5,36.5 61.646,36.5 61.646,40 63,40 63,37.9 68.9,37.9 68.9,38.5 72.5,38.5 72.5,36.25 74.975,33.775 74.975,29.35 77.275,27.05 77.275,21.4 74.5,21.4 74.5,19.7 71.7,19.7 71.7,24.55 68.9,24.55 68.9,33.8
SupplyIN on Top Layer "TOP_SUPPLYIN" (solid, pour order 3): 73,35.767 77.45,32.8 89,32.8 89,37.8 84,37.8 84,43 73,43
GND on Top Layer "TOP_GND" (solid, pour order 34): 0,2 0,42 cw(c2,42) 2,44 88,44 cw(c88,42) 90,42 90,2 cw(c88,2) 88,0 2,0 cw(c2,2)
VBUS on Bottom Layer "TOP_VBUS" (solid, pour order 30): 66.212,24.488 68.35,24.488 68.35,21.825 68.35,19.875 64.5,19.875 64.5,24.025 52.15,36.375 14.85,36.375 14.85,31.265 12.15,31.265 12.15,37.625 53.075,37.625
VCC on Bottom Layer "BOT_VCC" (solid, pour order 5): 38.325,31.95 29.775,31.95 29.775,33.575 38.624,33.626 48.575,23.675 59.2,23.675 59.2,24.125 64.325,24.125 64.325,19.9 61.5,19.9 61.5,20.75 59.25,20.75 59.25,22.075 48.2,22.075
GND on Bottom Layer "BOT_GND" (solid, pour order 32): 0,2 0,42 cw(c2,42) 2,44 88,44 cw(c88,42) 90,42 90,2 cw(c88,2) 88,0 2,0 cw(c2,2)

## Keep-outs
Top Layer:
  region: 22.271,0.028 38.671,0.028 38.671,6.05 22.271,6.05

## Text inside footprints (layer, text, board x,y; h text height)
C1A: Top Overlay "+" at 72.749,28.364 h1 r180
C1F: Top Overlay "+" at 56.589,3.838 h1 r180
C4E: Top Overlay "+" at 51.832,15.917 h1 r270
IC1F: Mechanical 13 "CUTOUT POLYGON" at 38.267,1.389 h0.25 r180; Mechanical 13 "ANTENNA AREA" at 38.267,0.881 h0.25 r180
J1G: Mechanical 13 "PCB EDGE" at -0.322,32.793 h1 r270